# Altium PCB wikiduino-micro-bk7251.PcbDoc (part 2 of 2) (continued)
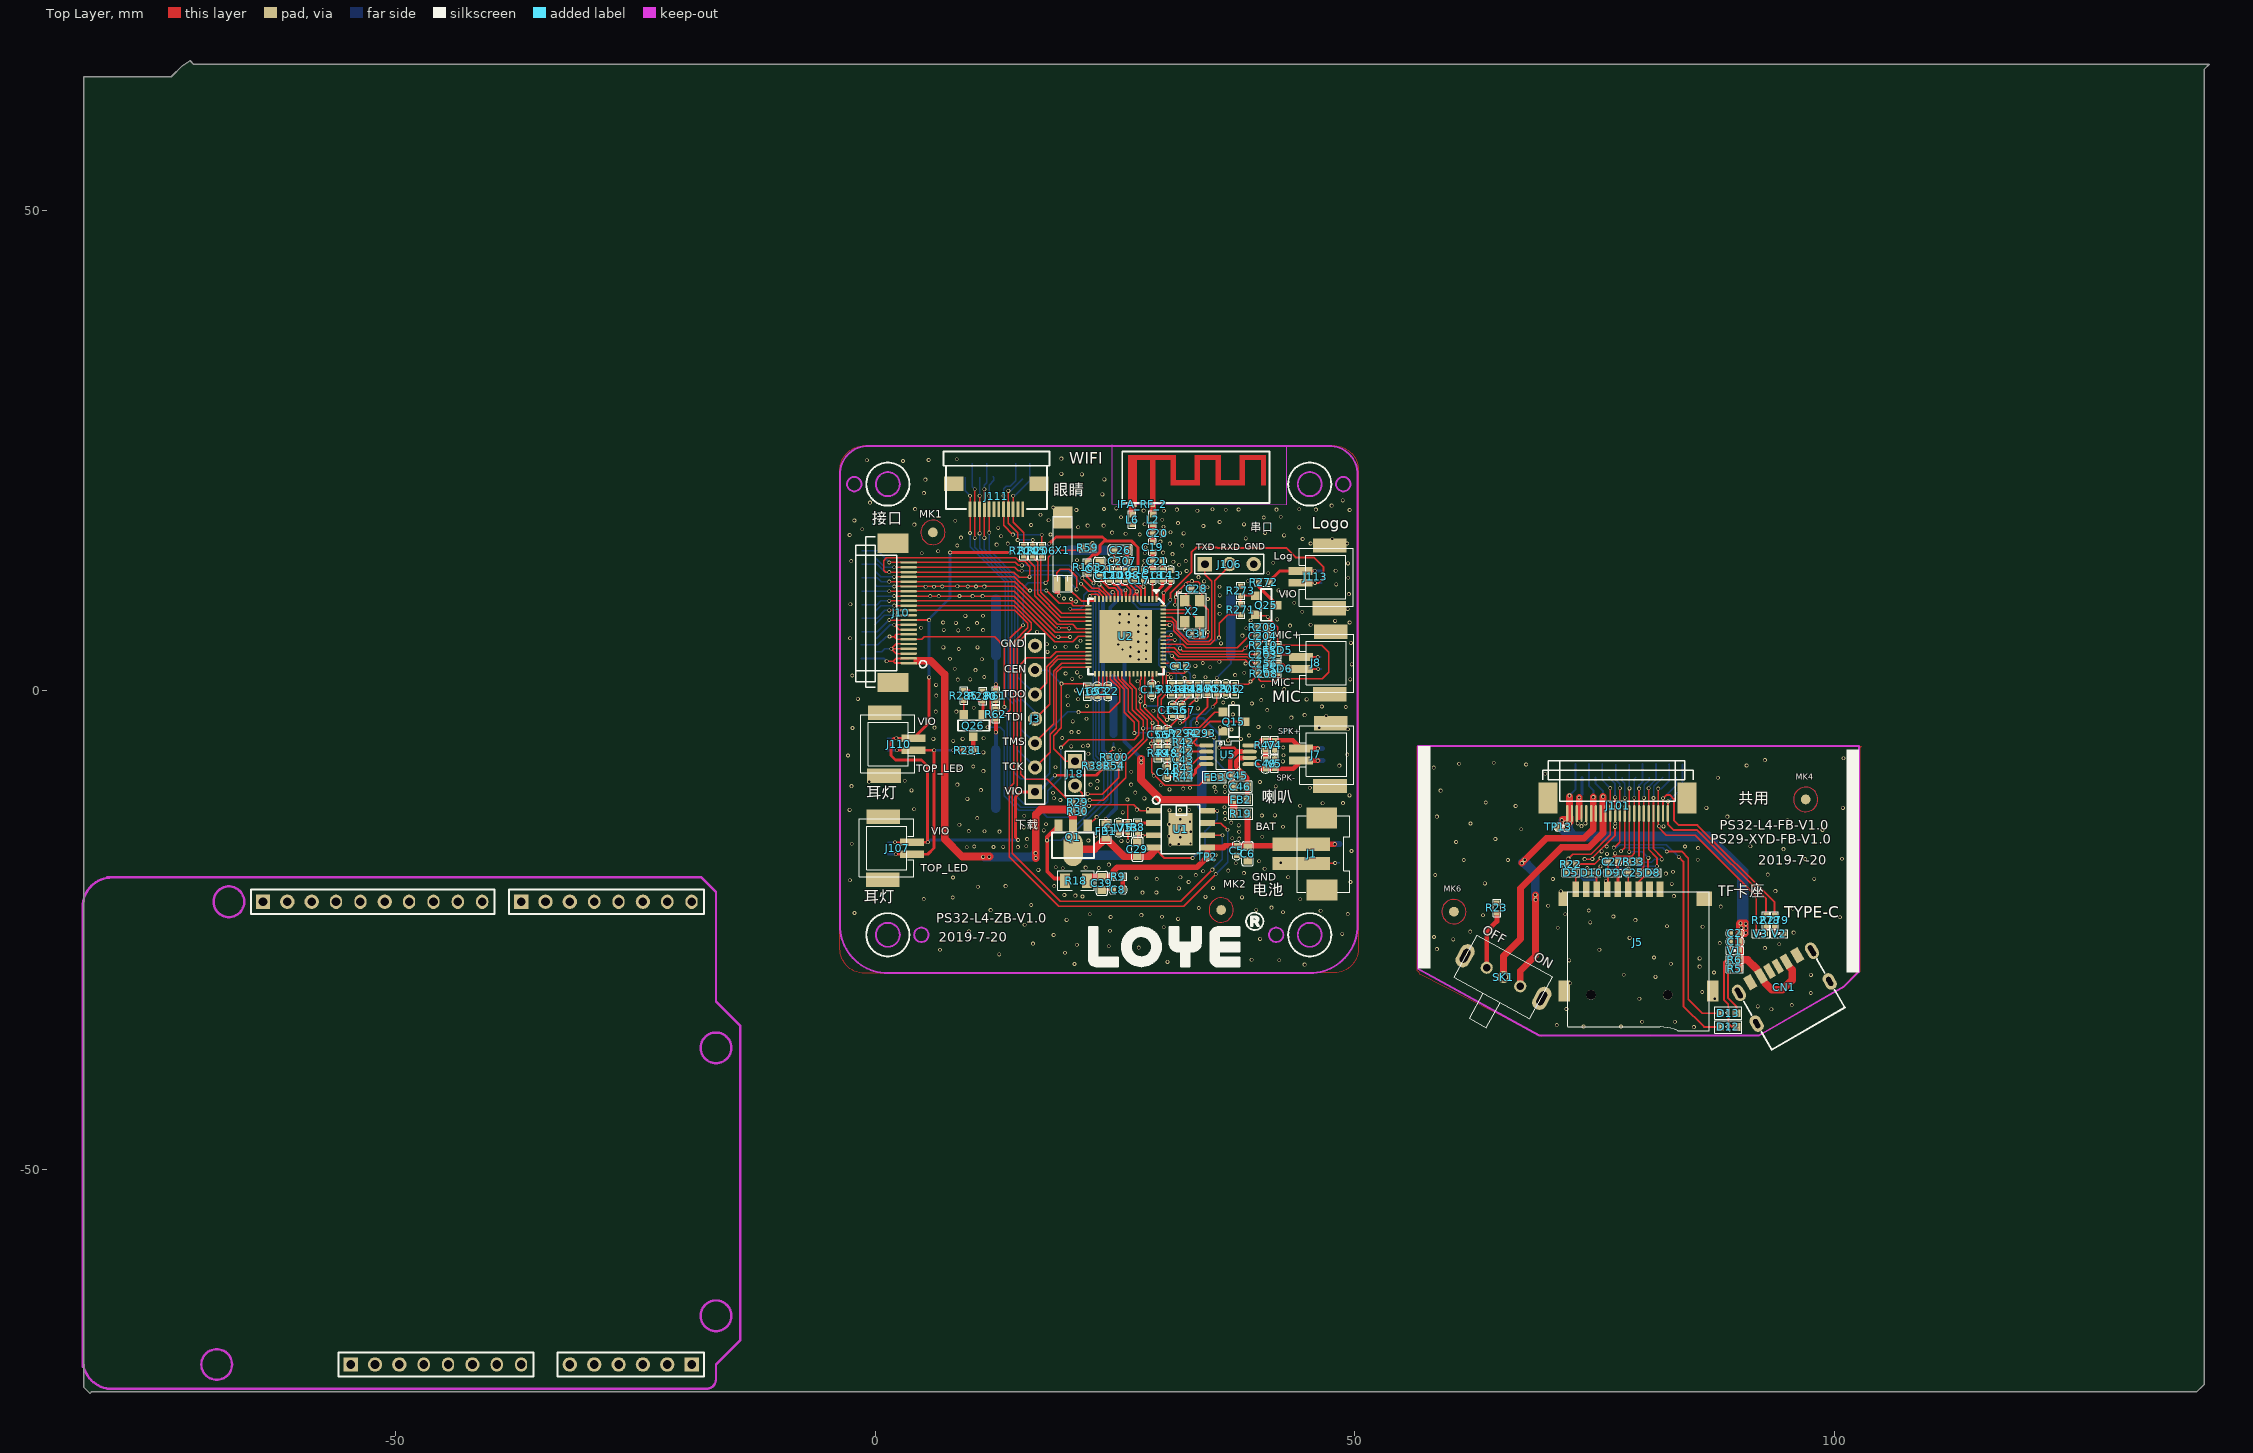
[diagram p0: Top Layer view]
## Nets (pads, with @x,y where several pads share a name; then routed paths per layer and width w, separated by ;. In a path a pad name is that pad's centre, name@x,y a point inside that pad or via, vN(x,y) a via of type N, cw(c..) or ccw(c..) an arc to the next point about the centre after c; other vN are vias at no path point) (continued)
  Bottom Layer w0.2: pad.16@-1.43,3.33 0.87,3.33 v1(1.17,3.03) ; v1(33.09,-17.49) 34.39,-16.19 34.39,-14.69 35.655,-13.425 v1(35.655,-12.575)
  other v1: 11.24,-17.37 11.87,-17.37 16.71,-16.98
USB_DET: R29.1 R30.2 U2.30 | length 27.1
  Top Layer w0.15: R29.1@20.6,-11.67 20.34,-11.67 17.93,-9.26 15.67,-9.26 15.16,-8.75 15.16,2.74 15.79,3.37 18.24,3.37 18.89,4.02 U2.30@22.22,4.02 ; R29.1@20.615,-11.655 R30.2@21.6,-12.64
USB_DN: J10.22 pad.12@-1.43,14.53 U2.14 | length 27.9
  Top Layer w0.15: v1(1.44,13.33) J10.22@3.473,13.33 14.59,13.33 14.89,13.03 v1(15.28,13.03) v1@15.31,13.03 ; v1(21.58,11.7) 21.58,11.66 22.61,10.63 23.32,10.63 24.005,9.945 24.005,9.936 24.12,9.821 U2.14@24.12,9.52
  Bottom Layer w0.15: pad.12@-1.43,14.53 0.24,14.53 v1(1.44,13.33) ; v1@15.31,13.03 20.24,13.03 21.575,11.695 v1@21.58,11.69 ; v1(21.58,11.7) v1@21.58,11.69 ; v1@21.58,11.69 21.58,11.685 v1@21.58,11.69
USB_DP: J10.21 pad.11@-0.03,13.83 U2.15 | length 26.1
  Top Layer w0.15: v1(1.97,12.83) J10.21@3.473,12.83 14.52,12.83 14.89,12.46 v1(15.27,12.46) v1@15.29,12.46 ; v1(21.45,11.11) 22.24,10.32 23.234,10.32 23.72,9.834 U2.15@23.72,9.52
  Bottom Layer w0.15: pad.11@-0.03,13.83 -0.026,13.83 0.518,13.286 ; 0.274,13.53 0.518,13.286 ; v1(1.97,12.83) 0.974,12.83 0.518,13.286 ; v1@15.29,12.46 20.1,12.46 v1(21.45,11.11)
VCC-TF: C25.2 J5.4 J101.10 pad.13@75.81,-7.69 R22.1 | length 24.1
  Top Layer w0.18: R22.1@72.044,-18.167 72.044,-17.785 v1(72.28,-17.549) 72.729,-17.1 74.628,-17.1 76.649,-15.079 J101.10@76.649,-12.844 v1(76.649,-10.201) ; J5.4@78.534,-20.759 C25.2@78.534,-19.043 ; C25.2@78.546,-19.031 v1(78.546,-18.589)
  Bottom Layer w0.18: pad.13@75.81,-7.69 75.81,-9.362 v1(76.649,-10.201)
  Bottom Layer w0.25: v1(72.28,-17.549) 72.28,-18.219 73.82,-19.759 75.07,-19.759 76.24,-18.589 v1(78.546,-18.589)
VCC_3.0: C13.1 C14.1 C108.1 U2.1 U2.6 U2.7 U2.68 | length 15.2
  Top Layer w0.2: C108.1@26.105,11.52 26.105,11.494 27.115,10.485 27.115,10.3 27.115,10.125 ; U2.7@26.92,9.52 26.92,9.91 27.115,10.105 ; 27.125,10.105 27.32,9.91 ; U2.6@27.32,9.52 27.32,9.91 ; v1@27.32,10.26 27.32,9.91 ; 27.115,10.105 27.115,10.125 ; 27.115,10.105 27.125,10.115 27.115,10.125
  Top Layer w0.3: U2.1@29.373,9.477 29.373,9.52 29.373,10.313 29.927,10.867 C14.1@29.927,11.51 ; 29.927,11.057 C14.1@29.927,11.51 ; 30.04,8.94 30.04,10.16 v1(30.059,10.178) 30.79,10.91 C13.1@30.79,11.51 30.79,11.1 ; C13.1@30.79,11.52 29.937,11.52 C14.1@29.927,11.51
  Bottom Layer w0.3: v1(27.28,10.3) 27.28,9.39 27.72,8.95 29.51,8.95 30.059,9.499 v1(30.059,10.178)
VIO: C16.1 C17.1 C121.1 J3.1 J10.10 J107.1 J110.1 J113.1 pad.0@1.25,-15.81 pad.2@1.36,-4.89 pad.5@46.58,11.14 pad.7@-1.43,6.13 R54.1 R163.1 R382.1 U2.4 U2.5 U2.11 | length 146.3
  Top Layer w0.15: v1(1.44,7.33) J10.10@3.473,7.33
  Top Layer w0.2: v1(2.05,-15.85) J107.1@3.84,-15.85 ; J10.10@3.473,7.33 v1@5.52,7.33 ; v1@5.44,-15.81 v1(5.48,-15.85) ; v1(18.72,-8.87) v1@18.735,-8.855 ; 22.712,14.092 23.12,14.092 ; C121.1@23.39,12.14 C121.1@23.39,11.93 23.39,11.64 24.357,10.672 24.948,10.672 25.32,10.3 U2.11@25.32,9.52 U2.11@25.32,9.78 ; R382.1@23.53,-7.88 23.95,-7.88 ; 23.96,-7.87 23.95,-7.88 ; R54.1@24.45,-7.88 R54.1@24.41,-7.88 23.95,-7.88 ; C17.1@27.01,11.49 27.01,11.18 27.72,10.47 U2.5@27.72,9.52 ; C17.1@27.01,11.533 C17.1@27.032,11.512 ; 27.39,12.9 C16.1@27.01,12.52 27.01,11.59 27.06,11.54 v1@27.885,10.715 ; v1@28.04,10.68 28.12,10.6 U2.4@28.12,9.52 ; v1(30.76,9.45) 30.76,10.12 32.99,12.35 32.99,14.44 33.44,14.89 35.66,14.89 35.7,14.85 42.83,14.85 43.82,13.86 45.73,13.86 46.75,12.84 46.75,11.72 46.23,11.2 v1(45.84,11.2) J113.1@44.34,11.2
  Top Layer w0.3: J107.1@3.84,-15.85 v1(5.48,-15.85) ; v1@5.44,-15.81 5.44,-7.9 4.81,-7.27 2.1,-7.27 1.62,-6.79 1.62,-5.34 1.96,-5 v1(2.19,-5) J110.1@3.97,-5 5.59,-3.38 v1@5.59,1.33 ; v1(7.79,14.37) v1@14.08,14.37 ; v1(14.89,-15.61) 14.6,-15.32 14.6,-11.14 15.15,-10.59 J3.1@16.65,-10.59 ; v1(18.13,15.29) 18.83,15.99 23.7,15.99 24.1,15.59 ; v1@18.735,-8.855 23.035,-8.855 23.52,-8.37 R382.1@23.52,-7.87 ; R163.1@22.003,13.463 22.64,14.1 ; R163.1@22.075,13.455 R163.1@22.145,13.385 ; R163.1@22.12,13.3 C121.1@23.365,12.055 ; 22.626,14.077 22.692,14.142 23.12,14.142 23.43,14.452 23.43,15.13 23.89,15.59 24.1,15.59 ; 27.39,12.9 27.39,14.89 26.69,15.59 24.1,15.59
  Bottom Layer w0.15: pad.7@-1.43,6.13 0.182,6.13 1.382,7.33 v1(1.44,7.33)
  Bottom Layer w0.2: pad.2@1.27,-5 1.36,-5 v1(2.19,-5) ; pad.0@1.29,-15.85 v1(2.05,-15.85) ; v1@7.78,14.36 v1(7.79,14.37) ; v1@14.1,14.32 v1@14.11,14.33 ; v1(27.96,10.79) 27.12,10.79 26.83,10.5 26.83,9.16 27.53,8.46 30.01,8.46 30.76,9.21 v1(30.76,9.45) ; v1(45.84,11.2) pad.5@46.53,11.2
  Bottom Layer w0.3: v1@5.5,-15.82 5.71,-15.61 v1(14.89,-15.61) ; v1@5.54,7.38 7.78,9.62 v1@7.78,14.36 ; v1@5.61,1.35 v1@5.61,7.27 ; v1(14.08,14.36) 14.635,14.915 17.755,14.915 v1(18.13,15.29) ; J3.1@16.65,-10.59 17,-10.59 v1(18.72,-8.87)
  other v1: 5.6,1.35 5.6,7.32
VOICE: C175.2 R163.2 SW7.3 SW7.4 U2.19 V13.1 | length 47.3
  Top Layer w0.15: v1@20.32,8.42 U2.19@22.22,8.42
  Top Layer w0.2: R163.2@22.08,12.46 22.08,12.33 22.08,11.83 v1(22.75,11.16) ; C175.2@25.38,-14.83 V13.1@26.33,-14.83 ; v1@26.33,-15.72 26.33,-15.7 V13.1@26.33,-14.88
  Bottom Layer w0.15: SW7.3@20.26,-17.214 20.275,-17.199 20.275,-15.295 24.22,-11.35 24.22,-8.06 23.01,-6.85 23.01,10.195 22.75,10.455 ; v1(20.32,8.5) 21.38,8.5 21.735,8.855 21.735,9.935 22.255,10.455 22.75,10.455 ; v1(22.75,11.16) 22.75,10.455
  Bottom Layer w0.2: SW7.4@26.32,-17.179 v1(26.32,-15.7)
  Bottom Layer w1: SW7.3@20.275,-17.199 26.356,-17.199 SW7.4@26.371,-17.199
VRAM: U2.35
VSENSE: Q1.3 R18.2 U2.16 | length 38.4
  Top Layer w0.15: v1(22.35,9.83) 22.56,10.04 23.118,10.04 23.32,9.838 U2.16@23.32,9.52
  Top Layer w0.4: Q1.3@19.092,-14.105 17.9,-15.298 v1(17.9,-15.65) 17.92,-15.67 17.92,-18.9 18.66,-19.64 R18.2@19.787,-19.64
  Bottom Layer w0.15: v1(17.9,-15.65) 19.39,-15.65 23.83,-11.21 23.83,-8.2 22.73,-7.1 22.73,9.45 v1(22.35,9.83)
XIN: C28.2 U2.67 X2.1 | length 5.6
  Top Layer w0.15: U2.67@30.09,8.42 32.82,8.42 32.95,8.55 32.95,8.665 X2.1@32.265,9.35 32.265,9.845 C28.2@33.02,10.6
XOUT: C31.2 U2.66 X2.3 | length 5.4
  Top Layer w0.15: U2.66@30.09,8.02 32.35,8.02 ; 32.425,8.02 32.35,8.02 ; C31.2@33.81,5.89 X2.3@33.81,7.145 ; X2.3@33.815,7.15 32.945,8.02 32.35,8.02
XTAL32K: U2.17 X1.2 | length 3.8
  Top Layer w0.2: X1.2@20.14,11.13 20.14,10.66 21.48,9.32 U2.17@22.87,9.32
pads on no net: J5.1 J5.2 J5.8 J5.14 J5.15 J111.6 J111.7 J111.11 J111.12 MK1. MK2. MK3. MK4. MK5. MK6. MK7. SK1. U2.3 U2.49 U2.54 U2.55 U2.61

## Polygon pours and split planes (outlines as drawn)
GND on Bottom Layer "GND" (hatched 90Degree grid 0.1 track 0.15, remove dead copper, shelved, pour order 5): 1.3,-29.5 -1.16,-29.5 cw(c-1.16,-26.96) -3.7,-26.96 -3.7,-24.5 -3.7,22.96 cw(c-1.16,22.96) -1.16,25.5 6.67,25.5 47.83,25.5 cw(c47.83,22.96) 50.37,22.96 50.37,21.63 50.37,-26.93 cw(c47.83,-26.93) 47.83,-29.47 45.77,-29.47 1.33,-29.47 ccw(c1.33,-29.5) 1.3,-29.5
GND1 on Bottom Layer "GND" (hatched 90Degree grid 0.1 track 0.15, remove dead copper, shelved, pour order 1001): 56.72,-29.43 56.53,-29.24 56.53,-5.85 102.76,-5.85 102.81,-5.9 102.67,-6.04 102.67,-29.38 102.48,-29.38 100.8,-31.06 92.21,-35.97 69.47,-36.06 56.76,-29.62
GND on Top Layer "GND" (hatched 90Degree grid 0.1 track 0.15, remove dead copper, shelved, pour order 2): 1.3,-29.5 -1.16,-29.5 cw(c-1.16,-26.96) -3.7,-26.96 -3.7,-24.5 -3.7,22.96 cw(c-1.16,22.96) -1.16,25.5 6.67,25.5 47.83,25.5 cw(c47.83,22.96) 50.37,22.96 50.37,21.63 50.37,-26.93 cw(c47.83,-26.93) 47.83,-29.47 45.77,-29.47 1.33,-29.47 ccw(c1.33,-29.5) 1.3,-29.5
GND1 on Top Layer "GND" (hatched 90Degree grid 0.1 track 0.15, remove dead copper, shelved, pour order 1000): 56.71,-29.429 56.52,-29.239 56.52,-5.849 102.75,-5.849 102.8,-5.899 102.66,-6.039 102.66,-29.379 102.47,-29.379 100.79,-31.059 92.2,-35.969 69.46,-36.059 56.75,-29.619
no net on Internal Plane 1 (split plane): -69.264,-74.637 -81.264,-62.637 -81.264,-13.637 -69.264,-1.637 -40.264,-1.637 -40.264,-4.637 -30.264,-4.637 -30.264,-1.637 -21.264,-1.637 -21.264,-6.137 -13.264,-6.137 -11.264,-7.637 -11.264,-22.637 -13.264,-24.137 -25.464,-24.137 -25.464,-59.887 -11.264,-59.887 -11.264,-69.037 -15.964,-71.437 -15.964,-73.637 -33.564,-73.637 -33.564,-71.637 -40.264,-71.637 -40.264,-74.637
no net on Internal Plane 2 (split plane): -69.264,-74.637 -81.264,-62.637 -81.264,-13.637 -69.264,-1.637 -40.264,-1.637 -40.264,-4.637 -30.264,-4.637 -30.264,-1.637 -21.264,-1.637 -21.264,-6.137 -13.264,-6.137 -11.264,-7.637 -11.264,-22.637 -13.264,-24.137 -25.464,-24.137 -25.464,-59.887 -11.264,-59.887 -11.264,-69.037 -15.964,-71.437 -15.964,-73.637 -33.564,-73.637 -33.564,-71.637 -40.264,-71.637 -40.264,-74.637
no net on Internal Plane 3 (split plane): -69.264,-74.637 -81.264,-62.637 -81.264,-13.637 -69.264,-1.637 -40.264,-1.637 -40.264,-4.637 -30.264,-4.637 -30.264,-1.637 -21.264,-1.637 -21.264,-6.137 -13.264,-6.137 -11.264,-7.637 -11.264,-22.637 -13.264,-24.137 -25.464,-24.137 -25.464,-59.887 -11.264,-59.887 -11.264,-69.037 -15.964,-71.437 -15.964,-73.637 -33.564,-73.637 -33.564,-71.637 -40.264,-71.637 -40.264,-74.637
no net on Internal Plane 4 (split plane): -69.264,-74.637 -81.264,-62.637 -81.264,-13.637 -69.264,-1.637 -40.264,-1.637 -40.264,-4.637 -30.264,-4.637 -30.264,-1.637 -21.264,-1.637 -21.264,-6.137 -13.264,-6.137 -11.264,-7.637 -11.264,-22.637 -13.264,-24.137 -25.464,-24.137 -25.464,-59.887 -11.264,-59.887 -11.264,-69.037 -15.964,-71.437 -15.964,-73.637 -33.564,-73.637 -33.564,-71.637 -40.264,-71.637 -40.264,-74.637
no net on Internal Plane 5 (split plane): -69.264,-74.637 -81.264,-62.637 -81.264,-13.637 -69.264,-1.637 -40.264,-1.637 -40.264,-4.637 -30.264,-4.637 -30.264,-1.637 -21.264,-1.637 -21.264,-6.137 -13.264,-6.137 -11.264,-7.637 -11.264,-22.637 -13.264,-24.137 -25.464,-24.137 -25.464,-59.887 -11.264,-59.887 -11.264,-69.037 -15.964,-71.437 -15.964,-73.637 -33.564,-73.637 -33.564,-71.637 -40.264,-71.637 -40.264,-74.637
no net on Internal Plane 6 (split plane): -69.264,-74.637 -81.264,-62.637 -81.264,-13.637 -69.264,-1.637 -40.264,-1.637 -40.264,-4.637 -30.264,-4.637 -30.264,-1.637 -21.264,-1.637 -21.264,-6.137 -13.264,-6.137 -11.264,-7.637 -11.264,-22.637 -13.264,-24.137 -25.464,-24.137 -25.464,-59.887 -11.264,-59.887 -11.264,-69.037 -15.964,-71.437 -15.964,-73.637 -33.564,-73.637 -33.564,-71.637 -40.264,-71.637 -40.264,-74.637
no net on Internal Plane 7 (split plane): -69.264,-74.637 -81.264,-62.637 -81.264,-13.637 -69.264,-1.637 -40.264,-1.637 -40.264,-4.637 -30.264,-4.637 -30.264,-1.637 -21.264,-1.637 -21.264,-6.137 -13.264,-6.137 -11.264,-7.637 -11.264,-22.637 -13.264,-24.137 -25.464,-24.137 -25.464,-59.887 -11.264,-59.887 -11.264,-69.037 -15.964,-71.437 -15.964,-73.637 -33.564,-73.637 -33.564,-71.637 -40.264,-71.637 -40.264,-74.637
no net on Internal Plane 8 (split plane): -69.264,-74.637 -81.264,-62.637 -81.264,-13.637 -69.264,-1.637 -40.264,-1.637 -40.264,-4.637 -30.264,-4.637 -30.264,-1.637 -21.264,-1.637 -21.264,-6.137 -13.264,-6.137 -11.264,-7.637 -11.264,-22.637 -13.264,-24.137 -25.464,-24.137 -25.464,-59.887 -11.264,-59.887 -11.264,-69.037 -15.964,-71.437 -15.964,-73.637 -33.564,-73.637 -33.564,-71.637 -40.264,-71.637 -40.264,-74.637
no net on Internal Plane 9 (split plane): -69.264,-74.637 -81.264,-62.637 -81.264,-13.637 -69.264,-1.637 -40.264,-1.637 -40.264,-4.637 -30.264,-4.637 -30.264,-1.637 -21.264,-1.637 -21.264,-6.137 -13.264,-6.137 -11.264,-7.637 -11.264,-22.637 -13.264,-24.137 -25.464,-24.137 -25.464,-59.887 -11.264,-59.887 -11.264,-69.037 -15.964,-71.437 -15.964,-73.637 -33.564,-73.637 -33.564,-71.637 -40.264,-71.637 -40.264,-74.637
no net on Internal Plane 10 (split plane): -69.264,-74.637 -81.264,-62.637 -81.264,-13.637 -69.264,-1.637 -40.264,-1.637 -40.264,-4.637 -30.264,-4.637 -30.264,-1.637 -21.264,-1.637 -21.264,-6.137 -13.264,-6.137 -11.264,-7.637 -11.264,-22.637 -13.264,-24.137 -25.464,-24.137 -25.464,-59.887 -11.264,-59.887 -11.264,-69.037 -15.964,-71.437 -15.964,-73.637 -33.564,-73.637 -33.564,-71.637 -40.264,-71.637 -40.264,-74.637
no net on Internal Plane 11 (split plane): -69.264,-74.637 -81.264,-62.637 -81.264,-13.637 -69.264,-1.637 -40.264,-1.637 -40.264,-4.637 -30.264,-4.637 -30.264,-1.637 -21.264,-1.637 -21.264,-6.137 -13.264,-6.137 -11.264,-7.637 -11.264,-22.637 -13.264,-24.137 -25.464,-24.137 -25.464,-59.887 -11.264,-59.887 -11.264,-69.037 -15.964,-71.437 -15.964,-73.637 -33.564,-73.637 -33.564,-71.637 -40.264,-71.637 -40.264,-74.637
no net on Internal Plane 12 (split plane): -69.264,-74.637 -81.264,-62.637 -81.264,-13.637 -69.264,-1.637 -40.264,-1.637 -40.264,-4.637 -30.264,-4.637 -30.264,-1.637 -21.264,-1.637 -21.264,-6.137 -13.264,-6.137 -11.264,-7.637 -11.264,-22.637 -13.264,-24.137 -25.464,-24.137 -25.464,-59.887 -11.264,-59.887 -11.264,-69.037 -15.964,-71.437 -15.964,-73.637 -33.564,-73.637 -33.564,-71.637 -40.264,-71.637 -40.264,-74.637
no net on Internal Plane 13 (split plane): -69.264,-74.637 -81.264,-62.637 -81.264,-13.637 -69.264,-1.637 -40.264,-1.637 -40.264,-4.637 -30.264,-4.637 -30.264,-1.637 -21.264,-1.637 -21.264,-6.137 -13.264,-6.137 -11.264,-7.637 -11.264,-22.637 -13.264,-24.137 -25.464,-24.137 -25.464,-59.887 -11.264,-59.887 -11.264,-69.037 -15.964,-71.437 -15.964,-73.637 -33.564,-73.637 -33.564,-71.637 -40.264,-71.637 -40.264,-74.637
no net on Internal Plane 14 (split plane): -69.264,-74.637 -81.264,-62.637 -81.264,-13.637 -69.264,-1.637 -40.264,-1.637 -40.264,-4.637 -30.264,-4.637 -30.264,-1.637 -21.264,-1.637 -21.264,-6.137 -13.264,-6.137 -11.264,-7.637 -11.264,-22.637 -13.264,-24.137 -25.464,-24.137 -25.464,-59.887 -11.264,-59.887 -11.264,-69.037 -15.964,-71.437 -15.964,-73.637 -33.564,-73.637 -33.564,-71.637 -40.264,-71.637 -40.264,-74.637
no net on Internal Plane 15 (split plane): -69.264,-74.637 -81.264,-62.637 -81.264,-13.637 -69.264,-1.637 -40.264,-1.637 -40.264,-4.637 -30.264,-4.637 -30.264,-1.637 -21.264,-1.637 -21.264,-6.137 -13.264,-6.137 -11.264,-7.637 -11.264,-22.637 -13.264,-24.137 -25.464,-24.137 -25.464,-59.887 -11.264,-59.887 -11.264,-69.037 -15.964,-71.437 -15.964,-73.637 -33.564,-73.637 -33.564,-71.637 -40.264,-71.637 -40.264,-74.637
no net on Internal Plane 16 (split plane): -69.264,-74.637 -81.264,-62.637 -81.264,-13.637 -69.264,-1.637 -40.264,-1.637 -40.264,-4.637 -30.264,-4.637 -30.264,-1.637 -21.264,-1.637 -21.264,-6.137 -13.264,-6.137 -11.264,-7.637 -11.264,-22.637 -13.264,-24.137 -25.464,-24.137 -25.464,-59.887 -11.264,-59.887 -11.264,-69.037 -15.964,-71.437 -15.964,-73.637 -33.564,-73.637 -33.564,-71.637 -40.264,-71.637 -40.264,-74.637

## Keep-outs
Keep-Out Layer:
  circle w0.254: c-16.622,-37.294 r1.6
  circle w0.254: c-68.692,-70.314 r1.6
  circle w0.254: c-67.422,-22.054 r1.6
  circle w0.254: c-16.622,-65.234 r1.6
  lines w0.2: 73.072,-35.989 69.231,-35.989 57.572,-29.585 56.572,-29.036 56.572,-5.789 57.572,-5.789 101.572,-5.789 102.572,-5.789 102.572,-29.375 101.572,-30.344 ; 84.07,-35.99 92.177,-35.99 92.447,-35.835 ; 84.072,-35.989 92.179,-35.989 92.449,-35.834 ; 84.094,-35.99 69.229,-35.99 57.57,-29.586 56.57,-29.037 56.57,-5.79 57.57,-5.79 101.57,-5.79 102.57,-5.79 102.57,-29.376 100.929,-30.965 ; 92.454,-35.827 100.201,-31.366 ; 100.194,-31.373 100.859,-30.99 ; 100.196,-31.372 100.861,-30.989 ; -3.7,-24.5 ccw(c1.3,-24.5) 1.3,-29.5 45.3,-29.5 ccw(c45.3,-24.5) 50.3,-24.5 50.3,22.5 ccw(c47.3,22.5) 47.3,25.5 -0.7,25.5 ccw(c-0.7,22.5) -3.7,22.5 -3.7,-24.5 ; -2.95,21.5 ccw(c-2.2,21.5) -1.45,21.5 ccw(c-2.2,21.5) -2.95,21.5 ; 0.05,-25.5 ccw(c1.3,-25.5) 2.55,-25.5 ccw(c1.3,-25.5) 0.05,-25.5 ; 0.05,21.5 cw(c1.3,21.5) 2.55,21.5 cw(c1.3,21.5) 0.05,21.5 ; 4.05,-25.5 ccw(c4.8,-25.5) 5.55,-25.5 ccw(c4.8,-25.5) 4.05,-25.5 ; 41.05,-25.5 ccw(c41.8,-25.5) 42.55,-25.5 ccw(c41.8,-25.5) 41.05,-25.5 ; 44.05,-25.5 ccw(c45.3,-25.5) 46.55,-25.5 ccw(c45.3,-25.5) 44.05,-25.5 ; 44.05,21.5 ccw(c45.3,21.5) 46.55,21.5 ccw(c45.3,21.5) 44.05,21.5 ; 48.05,21.5 ccw(c48.8,21.5) 49.55,21.5 ccw(c48.8,21.5) 48.05,21.5
  lines w0.254: -82.662,-70.568 -82.662,-22.181 ; -82.662,-69.806 ccw(c-79.614,-69.806) -79.614,-72.854 ; -82.662,-22.562 cw(c-79.614,-22.562) -79.614,-19.514 ; -80.122,-72.854 -17.622,-72.854 ccw(c-17.622,-71.854) -16.622,-71.854 -16.622,-70.314 -14.082,-67.774 -14.082,-35.008 -16.622,-32.468 -16.622,-21.038 -18.146,-19.514 -80.122,-19.514

## Other copper
Top Layer:
  rectangle net GND: 18.66,10.05 19.27,10.67
  region net USB-5V: 72.798,-13.138 72.798,-13.849 72.087,-14.56 71.528,-14.56 71.376,-14.408 71.376,-13.24 71.579,-13.138
  region net USB-5V: 89.765,-25.533 89.765,-24.263 89.867,-24.06 90.019,-23.908 90.883,-23.908 91.035,-24.111 91.035,-25.482 90.832,-25.686 90.668,-25.724 89.849,-25.724
Bottom Layer:
  rectangle net POWER_VSYS: 27.27,-7.77 28.13,-6.83
  region net USB-5V: 71.274,-14.764 72.188,-15.729 86.311,-15.729 89.867,-19.285 89.867,-24.72 90.375,-25.482 90.934,-25.584 91.035,-25.482 91.035,-18.726 87.022,-14.764 73.052,-14.764 72.747,-14.357 72.747,-13.494 72.595,-13.24 71.477,-13.24 71.274,-13.443
  region net POWER_KEY1: 67.05,-17.779 67.07,-18.049 68.42,-19.329 68.42,-21.899 68.64,-22.119 69.09,-22.119 69.24,-21.969 69.24,-18.869 68.04,-17.559 67.96,-17.479 67.87,-17.399 67.81,-17.369 67.54,-17.339
  region net USB-VBUS: 16.13,-16.93 16.47,-16.59 16.95,-16.59 17.11,-16.75 17.11,-17.64 16.94,-17.81 11.23,-17.81 10.94,-17.52 10.94,-17.08 11.09,-16.93

## Silkscreen, mask and mechanical layers (free items; w line width, h text height)
Top Overlay:
  circle w0.2: c1.3,-25.5 r2.25
  circle w0.2: c45.3,-25.5 r2.25
  circle w0.2: c45.3,21.5 r2.25
  circle w0.2: c1.3,21.5 r2.25
  circle w1: c27.748,-26.744 r1.5
  circle w0.2: c27.746,-26.746 r2.045
  circle w0.2: c27.748,-26.754 r1.115
  circle w0.2: c39.563,-24.095 r0.9
  rectangle: 56.572,-29.026 57.883,-5.789
  rectangle: 101.276,-29.432 102.587,-6.196
  rectangle: 35.799,-27.223 37.959,-26.285
  rectangle: 35.199,-25.105 35.759,-24.815
  rectangle: 35.069,-25.325 35.709,-25.015
  rectangle: 34.959,-25.535 35.789,-25.185
  rectangle: 35.209,-28.645 35.459,-28.435
  rectangle: 35.109,-28.525 35.549,-28.265
  rectangle: 35.029,-28.355 35.839,-27.435
  rectangle: 35.389,-28.765 37.985,-27.885
  rectangle: 35.019,-27.555 35.949,-25.445
  rectangle: 35.579,-25.615 37.949,-24.735
  rectangle: 31.879,-28.755 32.769,-26.985
  rectangle: 31.049,-27.125 33.599,-26.885
  rectangle: 30.869,-26.975 33.729,-26.775
  rectangle: 33.049,-26.835 33.869,-24.745
  rectangle: 31.289,-27.185 33.169,-26.285
  rectangle: 30.759,-26.815 31.599,-24.755
  rectangle: 22.579,-28.735 22.969,-28.485
  rectangle: 22.439,-28.545 22.939,-28.345
  rectangle: 22.339,-28.415 22.919,-27.805
  rectangle: 22.879,-28.814 25.249,-27.915
  rectangle: 22.229,-27.955 23.129,-24.647
  lines w0.2: -65.136,-20.784 -65.136,-23.324 -39.736,-23.324 -39.736,-20.784 -65.136,-20.784 ; 22.256,-24.708 22.256,-28.036 ccw(c23.087,-27.988) 22.984,-28.814 25.305,-28.814 25.305,-27.883 23.252,-27.883 cw(c23.284,-27.778) 23.176,-27.8 23.176,-24.708 ; 22.258,-24.708 23.178,-24.708 ; -55.992,-71.584 -55.992,-69.044 -35.672,-69.044 -35.672,-71.584 -55.992,-71.584 ; -38.212,-23.324 -38.212,-20.784 -17.892,-20.784 -17.892,-23.324 -38.212,-23.324 ; -33.132,-71.584 -33.132,-69.044 -17.892,-69.044 -17.892,-71.584 -33.132,-71.584 ; 30.69,-26.465 ccw(c31.502,-26.416) 31.405,-27.223 31.858,-27.223 31.858,-28.814 32.778,-28.814 32.778,-27.223 33.218,-27.223 ccw(c33.102,-26.367) 33.672,-27.015 ccw(c33.139,-26.41) 33.946,-26.41 33.946,-24.708 33.026,-24.708 33.026,-26.202 cw(c32.915,-26.188) 32.923,-26.299 31.714,-26.299 cw(c31.717,-26.191) 31.611,-26.208 31.611,-24.708 30.69,-24.708 30.69,-26.465 ; 34.935,-28.084 ccw(c35.754,-27.996) 35.656,-28.814 37.985,-28.814 37.985,-27.883 35.924,-27.883 cw(c35.96,-27.78) 35.856,-27.813 35.856,-27.223 37.985,-27.223 37.985,-26.299 35.856,-26.299 35.856,-25.708 cw(c35.924,-25.708) 35.924,-25.639 37.985,-25.639 37.985,-24.708 35.656,-24.708 ccw(c35.747,-25.519) 34.935,-25.437 34.935,-28.084 ; 39.174,-24.589 39.317,-24.589 39.317,-24.155 39.451,-24.155 cw(c39.428,-24.583) 39.55,-24.172 cw(c39.425,-24.406) 39.595,-24.203 cw(c39.265,-24.585) 39.647,-24.255 39.862,-24.589 40.04,-24.589 40.04,-24.571 39.862,-24.291 ccw(c39.349,-24.627) 39.814,-24.228 ccw(c39.14,-24.805) 39.781,-24.191 ccw(c39.663,-24.288) 39.719,-24.146 39.719,-24.137 39.754,-24.137 ccw(c39.693,-23.873) 39.728,-23.604 39.174,-23.604 39.174,-24.589 ; 39.317,-24.029 39.317,-23.722 39.665,-23.722 39.665,-23.731 cw(c39.663,-23.875) 39.665,-24.02 39.665,-24.029 39.317,-24.029
  text "WIFI" at 20.215,23.23 h2
  text "眼睛" at 18.57,19.94 h2
  text "接口" at -0.39,16.94 h2
  text "Logo" at 45.52,16.44 h2
  text "串口" at 39.1,16.3 h1.5
  text "GND" at 38.5,14.66 h0.7
  text "TXD" at 33.49,14.59 h0.7
  text "RXD" at 36,14.6 h0.7
  text "Log" at 41.57,13.6 h0.8
  text "VIO" at 42.05,9.67 h0.8
  text "MIC+" at 41.42,5.37 h0.8
  text "GND" at 13.092,4.476 h0.8
  text "CEN" at 13.46,1.83 h0.8
  text "MIC-" at 41.29,0.4 h0.8
  text "TDO" at 13.27,-0.77 h0.8
  text "MIC" at 41.39,-1.66 h2
  text "TDI" at 13.615,-3.17 h0.8
  text "VIO" at 4.4,-3.63 h0.8
  text "SPK+" at 42.008,-4.562 h0.6
  text "TMS" at 13.27,-5.724 h0.8
  text "TCK" at 13.27,-8.324 h0.8
  text "TOP_LED" at 4.28,-8.56 h0.8
  text "SPK-" at 41.868,-9.452 h0.6
  text "VIO" at 13.515,-10.87 h0.8
  text "耳灯" at -0.93,-11.67 h2
  text "喇叭" at 40.3,-12.08 h2
  text "共用" at 89.99,-12.264 h2
  text "PS32-L4-FB-V1.0" at 88.075,-14.564 h1
  text "BAT" at 39.67,-14.61 h0.8
  text "下载" at 14.57,-14.77 h1.5
  text "VIO" at 5.83,-15.07 h0.8
  text "PS29-XYD-FB-V1.0" at 87.118,-15.987 h1
  text "2019-7-20" at 92.09,-18.2 h1
  text "TOP_LED" at 4.73,-18.94 h0.8
  text "GND" at 39.28,-19.85 h0.8
  text "电池" at 39.36,-21.8 h2
  text "TF卡座" at 87.92,-21.88 h2
  text "耳灯" at -1.21,-22.52 h2
  text "TYPE-C" at 94.815,-24.149 h2
  text "PS32-L4-ZB-V1.0" at 6.37,-24.224 h1
  text "OFF" at 63.19,-25.27 h1 r331
  text "2019-7-20" at 6.615,-26.2 h1
  text "ON" at 68.56,-28.084 h1 r331
Bottom Overlay:
  rectangle: 101.239,-29.026 102.55,-5.789
  rectangle: 56.62,-28.997 57.931,-5.76
  text "Log_LED" at 48.47,13.91 h0.8
  text "微聊" at 25.54,9.99 h2
  text "VIO" at 47.56,9.47 h0.8
  text "MIC+" at 47.97,4.44 h0.8
  text "GND" at 15.78,4.27 h0.8
  text "RST" at 15.7,1.75 h0.8
  text "上一首/V-" at 40.05,1.09 h2
  text "MIC-" at 47.95,0.576 h0.8
  text "下一首/+" at 13.02,-0.03 h2
  text "TDO" at 15.74,-0.73 h0.8
  text "TDI" at 15.71,-3.36 h0.8
  text "SPK+" at 48.12,-4.88 h0.8
  text "上一首/V-" at 44.538,-5.308 h2
  text "VIO" at 0.04,-5.5 h0.8
  text "TMS" at 15.75,-5.81 h0.8
  text "TOP_LED" at 3.04,-8.21 h0.8
  text "TCK" at 15.72,-8.28 h0.8
  text "播放/暂停" at 31.28,-8.6 h2
  text "SPK-" at 48.09,-9.35 h0.8
  text "VIO" at 15.55,-11 h0.8
  text "目录" at 12.52,-15.77 h2
  text "VIO" at -0.48,-16.07 h0.8
  text "收藏" at 37.728,-16.128 h2
  text "BAT" at 46.9,-16.26 h0.8
  text "配网" at 12.76,-18.15 h2
  text "GND" at 47.18,-18.28 h0.8
  text "TOP_LED" at 2.67,-18.85 h0.8
  text "灯开关" at 26.37,-25.9 h2
Top Solder:
  rectangle: 25.118,19.811 42.798,25.571
Bottom Solder:
  rectangle: 25.128,19.811 42.808,25.581